# Altium PCB Mainboard.PcbDoc (part 4 of 4)
Units mm, origin at the board's own origin, x right, y up, seen from the top; angles counter-clockwise.
Board outline 90 x 160 mm, 2 copper layers (L1_Top, L14_Bot), stack 1.67 mm thick; 337 components, 184 nets, 933 pads, 776 vias.
Unrouted connection lines stored in the file: 3.
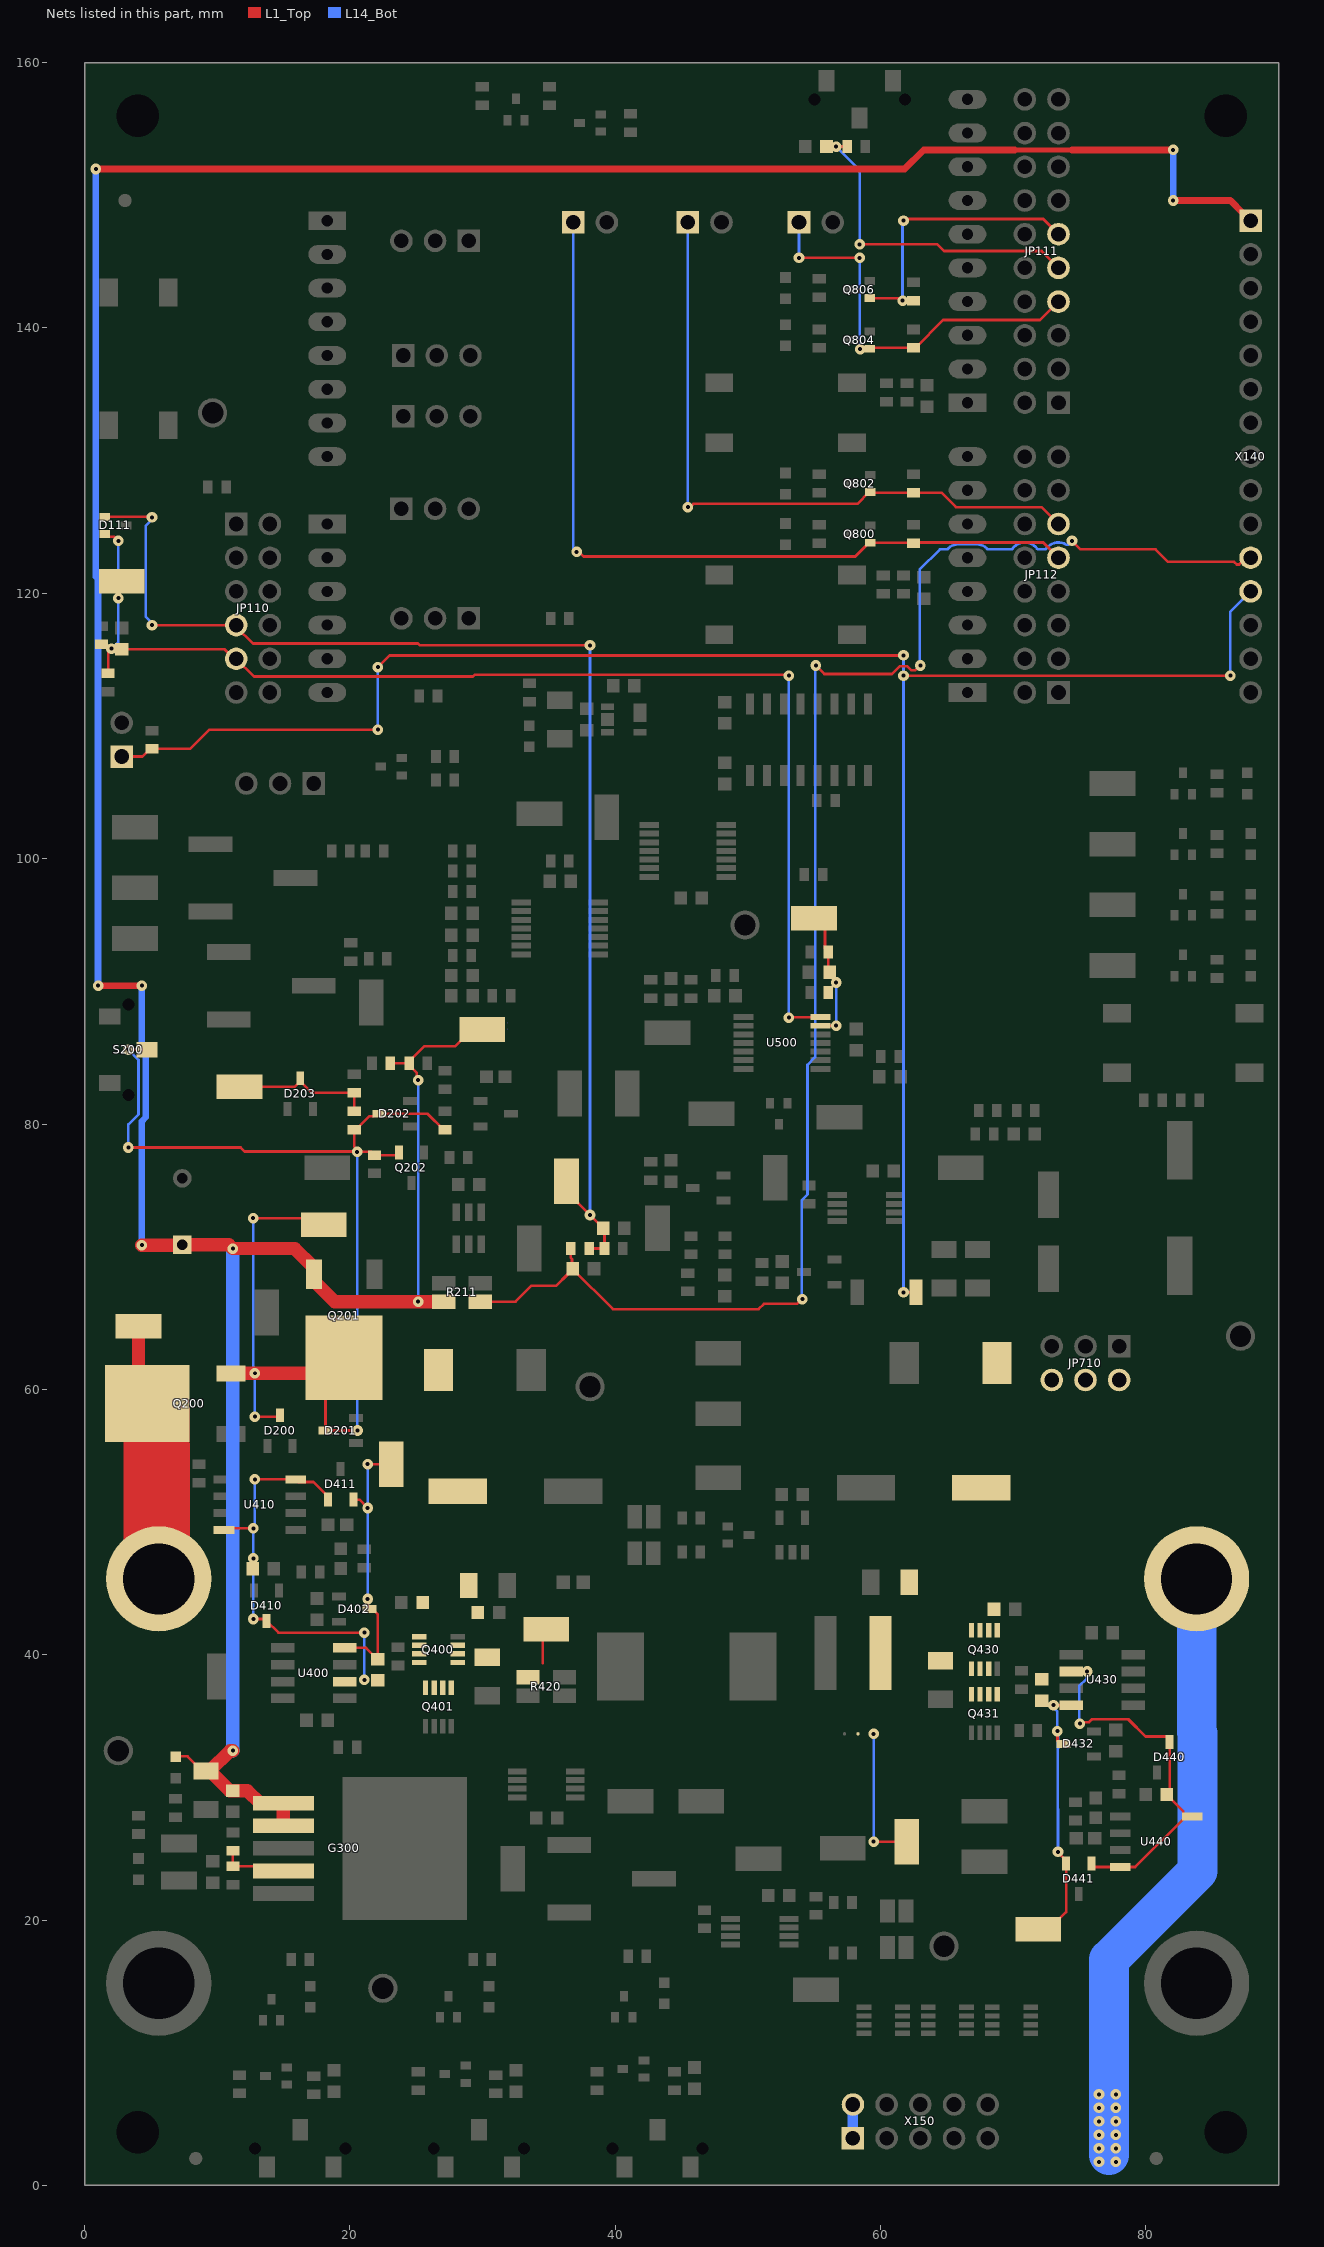
[diagram p4: the nets of this part, all layers, seen from the top]

## Via types
v1: diameter 0.8, hole 0.3, L1_Top to L14_Bot, tented both sides, 776 vias

## Nets (pads, with @x,y where several pads share a name; then routed paths per layer and width w, separated by ;. In a path a pad name is that pad's centre, name@x,y a point inside that pad or via, vN(x,y) a via of type N, cw(c..) or ccw(c..) an arc to the next point about the centre after c; other vN are vias at no path point) (continued)
UserLED1: JP112.9 JP125.1 Q800.1 R800.2 | length 62.4
  L1_Top w0.2: v1(37.084,123.128) 37.246,123.128 37.598,122.776 58.086,122.776 59.12,123.81 Q800.1@59.22,123.81 62.444,123.81 R800.2@62.484,123.77 62.546,123.832 67.523,123.832 72.256,123.832 ; 72.263,123.832 72.256,123.832 ; JP112.9@73.406,122.682 72.256,123.832
  L14_Bot w0.2: JP125.1@36.83,147.955 36.83,123.245 36.947,123.128 v1(37.084,123.128)
UserLED2: JP112.11 JP126.1 Q802.1 R802.2 | length 50.9
  L1_Top w0.2: v1(45.466,126.492) 45.628,126.492 45.882,126.746 58.246,126.746 59.12,127.62 Q802.1@59.22,127.62 59.26,127.58 R802.2@62.484,127.58 64.589,127.58 65.677,126.492 72.136,126.492 JP112.11@73.406,125.222
  L14_Bot w0.2: v1(45.466,126.492) JP126.1@45.466,147.955
UserLED3: JP111.7 JP127.1 Q804.1 R804.2 | length 30.7
  L1_Top w0.2: v1(53.848,145.288) v1(58.42,145.288) ; v1(58.451,138.405) 58.426,138.43 Q804.1@59.182,138.43 Q804.1@59.254,138.502 ; Q804.1@59.218,138.502 Q804.1@59.254,138.502 ; JP111.7@73.406,141.986 72.016,140.596 64.713,140.596 62.619,138.502 R804.2@62.484,138.502 Q804.1@59.254,138.502
  L14_Bot w0.2: v1(53.848,145.288) JP127.1@53.848,147.955 ; v1(58.42,145.288) 58.42,138.436 v1(58.451,138.405)
UserLED4: JP111.11 Q806.1 R806.2 | length 21.6
  L1_Top w0.2: Q806.1@59.174,142.242 v1@61.652,142.242 ; v1(61.652,142.058) R806.2@62.484,142.058 ; v1(61.722,148.082) 61.884,148.082 62.018,148.216 72.256,148.216 JP111.11@73.406,147.066
  L14_Bot w0.2: v1(61.652,142.058) 61.652,148.012 v1(61.722,148.082)
UserSw: C814.2 JP111.9 R814.1 | length 24.7
  L1_Top w0.2: v1(56.642,153.67) R814.1@57.476,153.67 ; v1(58.42,146.304) 64.267,146.304 64.775,145.796 72.136,145.796 JP111.9@73.406,144.526
  L14_Bot w0.2: v1(56.642,153.67) 58.42,151.892 v1(58.42,146.304)
VA: G300.4 R300.1 R301.2 | length 5.1
  L1_Top w0.2: R301.2@11.176,25.218 11.176,24.638 R300.1@11.176,24.058 14.622,24.058 G300.4@14.98,23.7
VB_Boost: C432.2 D432.3 D441.2 TP430.1 U430.8 | length 21.3
  L1_Top w0.2: TP430.1@71.882,19.304 72.682,19.304 73.98,20.602 D441.2@73.98,24.264 73.98,24.489 73.368,25.101 v1(73.368,25.146) ; v1(73.025,36.195) 74.065,36.195 U430.8@74.368,36.195 ; v1(73.318,34.24) 73.33,34.228 73.33,33.499 73.555,33.274 D432.3@73.78,33.274
  L14_Bot w0.2: v1(73.025,36.195) 73.025,36.019 73.318,35.726 v1(73.318,34.24) 73.368,34.19 73.368,34.066 73.351,31.717 ccw(c74.026,31.712) 73.351,31.71 v1(73.368,25.146)
VB_Buck: C402.2 D402.3 D411.2 TP400.1 U400.8 | length 21.1
  L1_Top w0.2: U400.8@19.612,40.513 21.222,40.513 22.073,39.662 C402.2@22.098,39.662 22.098,43.031 21.695,43.434 D402.3@21.47,43.434 21.336,43.568 v1(21.336,44.196) ; D411.2@20.254,51.682 20.708,51.682 v1(21.336,51.054) ; v1(21.336,54.356) TP400.1@23.114,54.356
  L14_Bot w0.2: v1(21.336,44.196) v1(21.336,51.054) v1(21.336,54.356)
Vin: C211.1 C212.2 C213.2 C214.2 C215.2 C404.2 D211.1 Q400.5 Q400.6 Q400.7 Q400.8 R211.1 R220.1 X140.11 | length 120
  L1_Top w0.2: R211.1@29.823,66.61 32.475,66.61 33.683,67.818 35.56,67.818 36.417,68.675 36.417,68.713 C215.2@36.792,69.088 36.792,69.063 39.815,66.04 50.8,66.04 51.2,66.44 53.685,66.44 54.047,66.802 v1(54.102,66.802) ; R220.1@36.648,70.612 36.648,69.915 36.736,69.827 C215.2@36.736,69.144 ; v1(55.118,114.554) 55.759,113.913 60.853,113.913 61.432,114.492 62.012,114.492 62.312,114.192 62.575,114.192 62.937,114.554 v1(62.992,114.554) ; v1(74.422,123.952) 75.063,123.311 80.721,123.311 81.666,122.366 86.65,122.366 86.851,122.165 87.017,122.165 87.534,122.682 X140.11@87.884,122.682
  L14_Bot w0.2: v1(54.102,66.802) 54.046,66.858 54.046,74.243 54.489,74.686 54.489,84.461 55.062,85.034 55.062,114.498 v1(55.118,114.554) ; v1(62.992,114.554) 62.936,114.61 62.936,121.787 64.46,123.311 65.037,123.311 65.095,123.37 65.098,123.372 cw(c65.836,122.682) 65.836,123.693 67.259,123.693 cw(c67.259,122.682) 67.998,123.372 68,123.37 68.059,123.311 69.884,123.311 69.942,123.37 69.951,123.379 cw(c70.866,122.682) 71.781,123.379 71.79,123.37 71.848,123.311 72.424,123.311 72.482,123.37 72.491,123.379 cw(c73.406,122.682) 74,123.666 74.054,123.666 74.136,123.666 v1(74.422,123.952)
Vin_Meas: C221.2 D111.1 JP110.7 R220.2 R221.2 TP220.1 | length 96.1
  L1_Top w0.2: D111.1@1.524,125.76 5.05,125.76 v1(5.08,125.73) ; v1(5.08,117.602) 10.668,117.602 JP110.7@11.008,117.262 ; JP110.7@11.43,117.602 11.43,117.475 12.693,116.212 25.127,116.212 25.268,116.071 v1(38.093,116.071) v1@38.256,116.071 ; TP220.1@36.322,75.692 36.322,74.892 37.172,74.042 37.197,74.042 v1(38.093,73.145) 39.078,72.161 C221.2@39.078,72.136 39.188,72.026 R221.2@39.188,70.612 R220.2@38.028,70.612
  L14_Bot w0.2: v1(5.08,117.602) 5.08,117.764 4.614,118.23 4.614,125.102 5.08,125.568 v1(5.08,125.73) ; v1(38.093,73.145) v1(38.093,116.071)
Vin_Raw: Q200.2 TP200.1 X100.1 | length 19.9
  L1_Top w1: TP200.1@4.064,64.77 4.064,59.588 Q200.2@4.724,58.928
  L1_Top w5: Q200.2@4.724,58.928 5.024,58.928 5.424,58.528 5.424,55.664 5.441,55.647 5.441,45.867 X100.1@5.588,45.72
Vin_RevPol: D200.3 D201.3 D202.3 Q200.3 Q201.2 Q202.2 R202.2 R205.2 R206.2 S200.2 TP201.1 | length 99.3
  L1_Top w0.2: v1(3.302,78.232) 11.76,78.232 12.059,77.933 20.398,77.933 v1@20.443,77.978 ; v1(3.302,85.598) S200.2@4.702,85.598 ; Q200.3@11.024,61.208 Q200.3@11.03,61.214 ; v1(12.7,72.898) TP201.1@18.034,72.898 ; v1(12.833,57.946) 14.632,57.946 D200.3@14.732,58.046 ; Q201.2@19.558,62.992 18.154,61.588 18.154,61.214 D201.3@18.154,56.896 v1(20.574,56.896) ; Q202.2@23.688,77.858 23.688,77.852 23.488,77.652 R205.2@21.844,77.652 21.595,77.901 v1(20.55,77.901) 20.521,77.901 v1@20.443,77.978 ; R206.2@27.178,79.574 27.043,79.574 25.845,80.772 D202.3@22.218,80.772 21.993,80.772 21.793,80.572 21.453,80.572 20.455,79.574 R202.2@20.32,79.574 20.32,78.293 20.443,78.17 v1@20.443,77.978
  L1_Top w1: Q200.3@11.03,61.214 v1@12.7,61.214 ; v1(12.833,61.214) 15.168,61.214 17.78,61.214 Q201.2@18.154,61.588
  L14_Bot w0.2: v1(3.302,78.232) 3.302,79.97 4.064,80.732 4.064,84.836 v1(3.302,85.598) ; v1(12.7,72.898) v1@12.7,61.214 ; v1(12.833,57.946) 12.833,61.081 v1@12.7,61.214 ; v1(12.833,61.214) v1@12.7,61.214 ; v1(20.55,77.901) 20.562,77.889 20.562,56.908 v1(20.574,56.896)
Vin_VoltReg: C210.1 C300.2 C301.2 D320.2 G300.1 G300.2 Q201.3 R204.2 R208.2 R211.2 TP210.1 X140.1 | length 279.5
  L1_Top w0.2: D320.2@6.858,32.334 7.752,32.334 8.844,31.242 C300.2@9.144,31.242 ; R204.2@23.042,84.582 R208.2@24.456,84.582 ; v1(25.146,83.312) 25.031,83.427 25.031,83.872 24.456,84.447 R208.2@24.456,84.582 ; TP210.1@29.972,87.122 29.172,87.122 27.902,85.852 25.591,85.852 24.456,84.717 R208.2@24.456,84.582
  L1_Top w0.4: 70.104,153.416 74.422,153.416
  L1_Top w0.5: v1(0.85,151.98) 61.81,151.98 63.246,153.416 70.104,153.416 ; v1(1.016,90.424) v1(4.318,90.424) ; 74.422,153.416 v1(82.042,153.416) ; v1(82.042,149.606) 86.36,149.606 87.284,148.682 X140.1@87.884,148.082
  L1_Top w1: v1(4.318,70.866) 7.526,70.866 7.566,70.906 10.882,70.906 v1(11.176,70.612) 15.848,70.612 17.178,69.282 17.278,69.182 Q201.3@17.278,68.682 17.378,68.582 17.378,68.082 18.85,66.61 R211.2@27.073,66.61 ; C300.2@9.144,31.242 C300.2@9.444,31.242 ; v1(11.176,32.766) 10.968,32.766 C300.2@9.444,31.242 ; G300.2@14.98,27.1 G300.1@14.98,28.8 13.23,28.8 12.274,29.756 C301.2@11.176,29.756 10.93,29.756 C300.2@9.444,31.242
  L14_Bot w0.2: v1(25.135,66.61) 25.14,66.616 25.14,83.306 v1(25.146,83.312)
  L14_Bot w0.5: 0.85,121.256 v1(0.85,151.98) ; v1(1.016,90.424) 1.016,121.09 ; v1(4.318,70.866) 4.318,80.208 4.614,80.504 4.614,85.276 4.318,85.572 v1(4.318,90.424) ; v1(82.042,149.606) v1(82.042,153.416)
  L14_Bot w1: v1(11.176,32.766) v1(11.176,70.612)
Volt_Thresh: C503.2 R502.2 R503.1 TP502.1 U500.6 | length 10.6
  L1_Top w0.2: TP502.1@54.356,95.504 TP502.1@54.977,95.504 55.802,94.679 55.802,93.224 R503.1@56.062,92.964 56.062,91.55 C503.2@56.172,91.44 ; U500.6@55.478,87.406 56.612,87.406 56.612,87.408 56.63,87.426 v1@56.651,87.406 ; R502.2@56.062,89.916 56.062,90.051 56.652,90.641 v1(56.652,90.668)
  L14_Bot w0.2: v1(56.652,87.406) v1(56.652,90.668)
Vout: C434.2 C700.2 C701.2 C702.1 D730.1 D731.1 JP710.2 JP710.4 JP710.6 Q430.5 Q430.6 Q430.7 Q430.8 R720.2 X102.1 X140.12 X150.1 X150.2 X720.1 | length 194.2
  L1_Top w0.2: X720.1@2.794,107.696 4.365,107.696 4.945,108.276 R720.2@5.08,108.276 7.946,108.276 9.398,109.728 v1(22.098,109.728) ; v1(22.098,114.427) 22.987,115.316 v1(61.722,115.316) ; v1(61.722,67.31) D731.1@62.662,67.31 ; v1(61.722,113.792) v1(86.36,113.792)
  L14_Bot w0.2: v1(22.098,109.728) v1(22.098,114.427) ; v1(61.722,67.31) v1(61.722,115.316) ; v1(86.36,113.792) 86.36,118.618 X140.12@87.884,120.142
  L14_Bot w0.8: X150.1@57.912,3.556 X150.2@57.912,6.096
  L14_Bot w3: 77.216,2.286 77.216,17.018 83.888,23.69 83.888,34.082 83.82,34.15 X102.1@83.82,45.72
  other v1: 76.454,1.778 77.724,1.778 76.454,2.794 77.724,2.794 76.454,3.81 77.724,3.81 76.454,4.826 77.724,4.826 76.454,5.842 77.724,5.842 76.454,6.858 77.724,6.858
Vout_Meas: C722.2 D111.2 JP110.9 R721.2 R722.2 TP721.1 U500.7 | length 93
  L1_Top w0.2: R722.2@1.27,116.15 1.405,116.15 1.778,115.777 R721.2@1.778,113.974 ; D111.2@1.524,124.46 1.724,124.26 2.232,124.26 v1(2.54,123.952) ; v1(2.54,119.634) 2.54,120.65 TP721.1@2.794,120.904 ; C722.2@2.794,115.786 10.528,115.786 11.252,115.062 JP110.9@11.43,115.062 12.765,113.727 29.264,113.727 29.409,113.872 45.502,113.872 53.006,113.872 v1(53.086,113.792) v1@53.203,113.675 ; v1(53.086,88.011) 53.108,88.033 55.456,88.033 U500.7@55.478,88.056
  L14_Bot w0.2: v1(2.032,115.824) 2.54,116.332 v1(2.54,119.634) v1(2.54,123.952) ; v1(53.086,88.011) v1(53.086,113.792)
VS_Boost: C432.1 C440.2 D440.3 D441.1 JP421.2 L421.2 Q430.1 Q430.2 Q430.3 Q431.5 Q431.6 Q431.7 Q431.8 TP431.1 U430.6 U440.4 U440.8 | length 39.4
  L1_Top w0.2: v1(59.475,25.908) TP431.1@61.976,25.908 ; U430.6@74.368,38.735 v1(75.565,38.735) ; v1(75.018,34.798) 75.133,34.913 75.709,34.913 75.931,35.135 78.662,35.135 79.964,33.833 81.588,33.833 81.788,33.633 D440.3@81.788,33.408 81.788,29.655 81.572,29.439 82.797,28.214 82.797,28.013 U440.8@82.997,27.813 ; D441.1@75.88,24.264 75.88,24.203 76.08,24.003 U440.4@78.072,24.003 79.187,24.003 U440.8@82.997,27.813 ; U440.8@83.472,27.813 U440.8@82.997,27.813
  L14_Bot w0.2: v1(59.475,25.908) 59.436,25.947 59.475,25.986 v1(59.475,34.036) ; v1(75.018,34.798) 74.968,34.848 74.968,37.63 75.524,38.186 75.524,38.694 v1(75.565,38.735)
VS_Buck: C402.1 C410.2 D410.3 D411.1 Q400.1 Q400.2 Q400.3 Q401.5 Q401.6 Q401.7 Q401.8 R420.1 TP401.1 U400.6 U410.4 U410.8 | length 35.4
  L1_Top w0.2: U410.8@10.508,49.403 10.635,49.53 v1(12.716,49.53) ; C410.2@12.662,46.482 12.716,46.536 v1(12.716,47.26) ; v1(12.716,42.688) 13.566,42.688 D410.3@13.716,42.538 14.598,41.656 v1(21.082,41.656) ; v1(12.827,53.213) U410.4@15.908,53.213 16.108,53.013 17.248,53.013 18.354,51.907 D411.1@18.354,51.682 ; TP401.1@33.423,42.313 TP401.1@33.782,42.672 ; 34.544,39.37 34.544,41.656 TP401.1@34.798,41.91
  L14_Bot w0.2: v1(12.716,42.688) v1(12.716,47.26) v1(12.716,49.53) 12.827,49.641 v1(12.827,53.213) ; v1(21.082,38.1) v1(21.082,41.656)
Zener_20V: D203.3 R202.1 R203.2 TP203.1 | length 11.8
  L1_Top w0.2: TP203.1@10.668,82.804 15.839,82.804 D203.3@16.256,83.221 ; D203.3@16.256,83.446 D203.3@16.256,83.221 ; R202.1@20.32,80.954 R203.2@20.32,82.368 17.109,82.368 D203.3@16.256,83.221
pads on no net: D200.2 D201.2 D202.2 D203.2 D402.2 D410.2 D432.2 D440.2 E100.1 E101.1 E102.1 JP111.17 JP111.19 JP112.1 JP112.3 MP100. MP101. MP102. MP103. R524.3 R531.3 S200. S200.3 S750. S751. S752. S814. U410.5 U410.7 U440.5 U440.7 U540.13 U570.6 U570.8 U630.1 U630.5 U630.8 X110.1A X110.2A X110.4A X110.5A

## Polygon pours and split planes (outlines as drawn)
GND on L1_Top "GND_L01_P010" (solid, remove dead copper, pour order 10): 0,0 90,0 90,160 0,160
NetJP421_1 on L1_Top "NETJP421_1_L01_P006" (solid, pour order 6): 51.816,34.29 48.641,37.465 48.641,41.148 48.641,43.942 57.658,43.942 57.658,32.766 51.816,32.766
H-Bridge_neg on L1_Top "H-BRIDGE_NEG_L01_P005" (solid, pour order 5): 52.197,34.671 50.419,36.449 48.895,36.449 48.768,36.576 48.768,41.402 43.434,46.736 42.418,46.736 42.418,48.768 40.386,48.768 40.386,45.974 41.91,44.45 41.91,36.576 38.608,36.576 38.608,35.306 31.496,35.306 31.496,37.592 28.702,37.592 28.702,35.56 24.892,35.56 24.892,32.258 49.53,32.258 54.61,27.178 64.77,27.178 69.85,32.258 69.85,35.052 65.659,35.052 65.532,35.179 65.532,37.338 63.5,37.338 63.5,35.306 60.706,32.512 54.356,32.512
VS_Boost on L1_Top "VS_BOOST_L01_P002" (solid, pour order 2): 62.611,34.417 63.5,35.306 63.5,37.338 65.532,37.338 65.532,37.084 75.184,37.084 75.184,39.37 63.754,39.37 62.23,40.894 62.23,43.942 57.912,43.942 57.912,32.766 60.96,32.766
Vin on L1_Top "VIN_L01_P001" (solid, remove dead copper, pour order 1): 28.448,66.167 26.797,64.516 24.384,64.516 24.384,39.111 31.496,39.111 31.496,40.386 31.496,41.656 30.988,42.164 30.988,64.262 32.004,65.278 32.004,67.31 28.448,67.31
Vout on L1_Top "VOUT_L01_P004" (solid, pour order 4): 84.074,61.722 89.408,56.388 89.408,40.386 78.232,40.386 78.232,49.149 69.088,49.149 69.088,39.624 60.452,39.624 60.452,44.704 61.214,45.466 61.214,47.244 65.278,51.308 65.278,57.912 65.278,63.754 64.516,64.516 61.722,64.516 61.722,68.707 63.754,68.707 63.754,66.294 68.072,66.294 72.644,61.722
Out_neg on L1_Top "OUT_NEG_L01_P007" (solid, pour order 7): 76.708,16.764 81.026,21.082 89.408,21.082 89.408,9.652 78.994,9.652 76.962,11.684 57.913,11.684 57.912,16.002 66.548,16.002 66.548,19.304 66.04,19.812 61.214,19.812 61.214,22.098 69.596,22.098 69.596,16.764
VS_Buck on L1_Top "VS_BUCK_L01_P000" (solid, pour order 0): 28.702,37.592 28.702,35.56 21.844,35.56 20.32,37.084 18.542,37.084 18.542,39.116 27.178,39.116 27.178,41.148 29.337,41.148 29.337,39.116 30.734,39.116 30.988,39.37 34.798,39.37 34.798,37.338 30.988,37.338 30.734,37.592
Vout on L1_Top "VOUT_L01_P008" (solid, pour order 8): 55.88,7.874 55.88,1.016 78.74,1.016 78.74,7.874
no net on Top Overlay "NONET_L-01_P-001" (solid): 26.797,144.78 26.797,145.11 31.115,145.11 31.115,144.78 30.734,144.78 30.734,144.907 27.432,144.907 27.432,144.78
GND on L14_Bot "GND_L02_P009" (solid, remove dead copper, pour order 9): 0,0 90,0 90,160 0,160

## Keep-outs
Keep-Out Layer:
  the board outline again, w0.5

## Silkscreen, mask and mechanical layers (free items; w line width, h text height)
Top Overlay:
  drawing of 2860 lines, arcs and shapes, not listed
  text "SCL" at 75.692,156.726 h1
  text "UserSw" at 43.688,155.956 h2.3
  text "Off" at 53.848,155.448 h1.8 r90
  text "On" at 64.516,155.448 h1.8 r90
  text "SDA" at 75.692,154.186 h1
  text "AREF" at 75.692,151.646 h1
  text "Load1" at 35.814,149.479 h1.6
  text "Load2" at 44.45,149.479 h1.6
  text "Load3" at 52.832,149.479 h1.6
  text "GND" at 75.692,149.106 h1
  text "Boost Cntrl" at 21.844,148.336 h1.6
  text "NC" at 14.336,147.582 h1
  text "Vin" at 81.407,147.32 h1.6
  text "D13" at 75.692,146.566 h1
  text "IOREF" at 11.503,145.042 h1
  text "12V" at 81.407,144.78 h1.6
  text "D12" at 75.692,144.026 h1
  text "Indep" at 21.717,143.407 h1.6
  text "Buck" at 26.797,143.383 h1.6
  text "RESET" at 11.337,142.502 h1
  text "3.3V" at 81.407,142.24 h1.6
  text "UserLED4" at 38.354,141.986 h2.3
  text "D11" at 75.692,141.486 h1
  text "3.3V" at 12.503,139.962 h1
  text "Cntrl" at 22.606,139.7 h1.6
  text "GND" at 81.407,139.7 h1.6
  text "D10" at 75.692,138.946 h1
  text "UserLED3" at 38.354,138.43 h2.3
  text "5V" at 14.336,137.422 h1
  text "In" at 82.042,137.16 h1.6
  text "D9" at 75.692,136.406 h1
  text "uC" at 22.352,134.969 h1.6
  text "Ext" at 27.432,134.969 h1.6
  text "GND" at 13.336,134.882 h1
  text "Out" at 82.042,134.62 h1.6
  text "D8" at 75.692,133.866 h1
  text "GND" at 13.336,132.342 h1
  text "UserBtn2" at 38.354,132.334 h2.3
  text "In A" at 82.042,132.08 h1.6
  text "12V" at 13.503,129.802 h1
  text "D7" at 75.692,129.802 h1
  text "Out A" at 81.915,129.54 h1.6
  text "A0" at 22.479,128.143 h1.6
  text "D6" at 75.692,127.262 h1
  text "UserLED2" at 38.354,127 h2.3
  text "Ind" at 82.042,127 h1.6
  text "A0" at 7.224,124.722 h1
  text "D5" at 75.692,124.722 h1
  text "Current" at 81.407,124.714 h1.6 r90
  text "Sw" at 82.042,124.46 h1.6
  text "In" at 22.352,123.539 h1.6
  text "Sw" at 27.432,123.539 h1.6
  text "UserLED1" at 38.354,123.19 h2.3
  text "A1" at 7.557,122.182 h1
  text "D4" at 75.692,122.182 h1
  text "Vin" at 80.518,121.92 h1.6
  text "Blanking" at 22.479,119.888 h1.6
  text "A2" at 7.224,119.642 h1
  text "D3" at 75.692,119.642 h1
  text "Vout" at 80.518,119.38 h1.6
  text "UserBtn1" at 38.354,117.856 h2.3
  text "A3" at 7.224,117.092 h1
  text "D2" at 75.692,117.102 h1
  text "Buck" at 80.518,116.84 h1.6
  text "Ind" at 22.352,115.284 h1.6
  text "Sw" at 27.432,115.284 h1.6
  text "A4" at 7.224,114.552 h1
  text "D1" at 75.692,114.562 h1
  text "Boost" at 80.518,114.3 h1.6
  text "A5" at 7.224,112.012 h1
  text "D0" at 75.692,112.022 h1
  text "GND" at 80.518,111.76 h1.6
  text "3.3V" at 32.258,107.95 h1.5 r90
  text "ADC NTC" at 10.795,107.442 h1.6
  text "Overcurr" at 65.024,104.394 h2.3
  text "int" at 10.668,102.838 h1.6
  text "ext" at 15.748,102.838 h1.6
  text "Overvolt" at 65.024,99.822 h2.3
  text "Overtemp_Int" at 60.198,95.25 h2.3
  text "Overtemp_Ext" at 59.69,90.678 h2.3
  text "Off" at 8.382,86.36 h2.3 r90
  text "Fault Reset" at 65.024,84.963 h2.3
  text "On" at 8.382,80.772 h2.3 r90
  text "2x 10uF" at 73.914,49.784 h2.3 r90
  text "47uF" at 76.581,49.784 h2.3 r90
  text "220uF" at 79.248,49.784 h2.3 r90
  text "NTC" at 40.132,46.228 h2.3 r90
  text "OUT+" at 80.518,37.338 h3.2
  text "IN+" at 1.27,37.084 h3.2
  text "Vin" at 5.08,33.782 h1.5
  text "12V" at 2.032,22.098 h1.5 r90
  text "IN−" at 1.27,7.112 h3.2
  text "OUT−" at 80.518,7.112 h3.2
  text "Load1" at 22.352,5.08 h2.3 r90
  text "Load2" at 35.814,5.08 h2.3 r90
  text "Load3" at 49.276,5.08 h2.3 r90
  text "Off" at 11.684,1.016 h1.8 r90
  text "On" at 22.352,1.016 h1.8 r90
  text "Off" at 25.146,1.016 h1.8 r90
  text "On" at 35.814,1.016 h1.8 r90
  text "Off" at 38.608,1.016 h1.8 r90
  text "On" at 49.276,1.016 h1.8 r90
Bottom Overlay:
  text ".PRJ_Title / .PRJ_PCB_Revision  / .PRJ_Year" at 60.198,147.579 h1.3
M3 (ASY_Text_Top):
  drawing of 12 lines, arcs and shapes, not listed
  text ".PRJ_Address1" at 292.608,-14.986 h3
  text ".PRJ_Title" at 292.354,-18.288 h4
  text ".PRJ_PCB_Revision" at 292.354,-21.336 h2
  text ".PRJ_Year" at 298.704,-21.336 h2
M5 (Sheet_Top):
  drawing of 56 lines, arcs and shapes, not listed
  text "1" at -5,214 h2
  text "2" at 45,214 h2
  text "3" at 95,214 h2
  text "4" at 145,214 h2
  text "5" at 195,214 h2
  text "6" at 245,214 h2
  text "7" at 295,214 h2
  text "8" at 345,214 h2
  text "A" at -28,182.5 h2
  text "A" at 367,182.5 h2
  text "B" at -28,112.5 h2
  text "B" at 367,112.5 h2
  text "C" at -28,42.5 h2
  text "C" at 367,42.5 h2
  text "ENGINEER:" at 251.97,-26.5 h1.2
  text "TITLE:" at 290.07,-26.5 h1.2
  text "D" at -28,-27.5 h2
  text "D" at 367,-27.5 h2
  text "PCB DESIGNER:" at 251.97,-34 h1.2
  text "Learning Platform for / Switching Regulators" at 291.7,-36.8 h3
  text ".PRJ_PCBDesigner" at 253,-38.5 h2
  text "DATE:" at 251.97,-41.5 h1.2
  text "PART NO.:" at 290.07,-41.5 h1.2
  text "REL:" at 340,-41.5 h1.2
  text "REV:" at 353,-41.5 h1.2
  text ".PRJ_Organization" at 209.164,-44.5 h2
  text ".PRINT_DATE" at 253,-45.5 h2
  text ".PRJ_PCB_Release" at 341,-45.5 h2
  text ".PRJ_PCB_Revision" at 354,-45.5 h2
  text ".PRJ_Address1" at 220,-47.5 h2
  text "SVN REVISION:" at 251.97,-49 h1.2
  text "FILE NAME:" at 290.07,-49 h1.2
  text "APRV:" at 340,-49 h1.2
  text "SCALE:" at 353,-49 h1.2
  text "Am Campeon 1-12" at 214.606,-50.5 h2
  text ".VersionControl_RevNumber" at 253,-52.5 h2
  text ".PCB_FILE_NAME_NO_PATH" at 291,-52.5 h2
  text ".PRJ_PCBApprovedBy" at 341,-52.5 h2
  text "1:1" at 356,-52.5 h2
  text "85579 NEUBIBERG - GERMANY" at 206.55,-53.5 h2
  text "C" at 251.3,-56.35 h0.9
  text ".PRJ_Copyright" at 253,-56.5 h1.2
  text "1" at -5,-61 h2
  text "2" at 45,-61 h2
  text "3" at 95,-61 h2
  text "4" at 145,-61 h2
  text "5" at 195,-61 h2
  text "6" at 245,-61 h2
  text "7" at 295,-61 h2
  text "8" at 345,-61 h2
M6 (Sheet_Bot):
  drawing of 56 lines, arcs and shapes, not listed
  text "8" at -5,214 h2
  text "7" at 45,214 h2
  text "6" at 95,214 h2
  text "5" at 145,214 h2
  text "4" at 195,214 h2
  text "3" at 245,214 h2
  text "2" at 295,214 h2
  text "1" at 345,214 h2
  text "A" at -27,182.5 h2
  text "A" at 368,182.5 h2
  text "B" at -27,112.5 h2
  text "B" at 368,112.5 h2
  text "C" at -27,42.5 h2
  text "C" at 368,42.5 h2
  text "TITLE:" at 49.93,-26.5 h1.2
  text "ENGINEER:" at 88.03,-26.5 h1.2
  text "D" at -27,-27.5 h2
  text "D" at 368,-27.5 h2
  text "PCB DESIGNER:" at 88.03,-34 h1.2
  text "Learning Platform for / Switching Regulators" at 48.3,-36.8 h3
  text ".PRJ_PCBDesigner" at 87,-38.5 h2
  text "REV:" at -13,-41.5 h1.2
  text "REL:" at 0,-41.5 h1.2
  text "PART NO.:" at 49.93,-41.5 h1.2
  text "DATE:" at 88.03,-41.5 h1.2
  text ".PRJ_Organization" at 130.836,-44.5 h2
  text ".PRJ_PCB_Revision" at -14,-45.5 h2
  text ".PRJ_PCB_Release" at -1,-45.5 h2
  text ".PRINT_DATE" at 87,-45.5 h2
  text ".PRJ_Address1" at 120,-47.5 h2
  text "SCALE:" at -13,-49 h1.2
  text "APRV:" at 0,-49 h1.2
  text "FILE NAME:" at 49.93,-49 h1.2
  text "SVN REVISION:" at 88.03,-49 h1.2
  text "Am Campeon 1-12" at 125.394,-50.5 h2
  text "1:1" at -16,-52.5 h2
  text ".PRJ_PCBApprovedBy" at -1,-52.5 h2
  text ".PCB_FILE_NAME_NO_PATH" at 49,-52.5 h2
  text ".VersionControl_RevNumber" at 87,-52.5 h2
  text "85579 NEUBIBERG - GERMANY" at 133.45,-53.5 h2
  text "C" at 88.7,-56.35 h0.9
  text ".PRJ_Copyright" at 87,-56.5 h1.2
  text "8" at -5,-61 h2
  text "7" at 45,-61 h2
  text "6" at 95,-61 h2
  text "5" at 145,-61 h2
  text "4" at 195,-61 h2
  text "3" at 245,-61 h2
  text "2" at 295,-61 h2
  text "1" at 345,-61 h2
M11 (Dimension_Top):
  the board outline again, w0.254
M15 (CMP_Courtyard_Top):
  lines w0.1: 16.188,110.744 16.188,149.987 20.388,149.987 20.388,110.744 16.188,110.744 ; 64.448,111.002 64.448,158.75 68.648,158.75 68.648,111.002 64.448,111.002
Drill Drawing:
  circle w0.2: c125.738,158.783 r0.5
  circle w0.2: c125.738,158.783 r0.833
  circle w0.2: c125.738,140.033 r0.833
  lines w0.2: 124.905,128.367 125.321,128.367 125.738,127.95 126.155,128.367 126.571,128.367 126.155,128.783 126.571,129.2 126.155,129.2 125.738,129.617 125.321,129.2 124.905,129.2 125.321,128.783 124.905,128.367 ; 124.905,132.533 125.738,131.7 126.571,132.533 125.738,133.367 124.905,132.533 ; 124.905,135.45 125.738,135.867 126.571,135.45 126.155,136.283 126.571,137.117 125.738,136.7 124.905,137.117 125.321,136.283 124.905,135.45 ; 124.905,142.95 126.571,142.95 126.571,144.617 124.905,144.617 124.905,142.95 ; 124.905,146.7 126.571,146.7 126.571,148.367 124.905,148.367 124.905,146.7 ; 124.905,152.117 126.571,152.117 125.738,150.45 124.905,152.117 ; 124.905,154.2 124.905,154.617 125.321,155.033 124.905,155.45 124.905,155.867 125.321,155.867 125.738,155.45 126.155,155.867 126.571,155.867 126.571,155.45 126.155,155.033 126.571,154.617 126.571,154.2 126.155,154.2 125.738,154.617 125.321,154.2 124.905,154.2 ; 125.238,147.033 126.238,147.033 126.238,148.033 125.238,148.033 125.238,147.033
  lines w0.381: 123.426,126.825 301.667,126.825 ; 123.426,160.575 301.667,160.575 ; 137.038,123.075 137.038,164.325 ; 151.934,123.075 151.934,164.325 ; 181.075,123.075 181.075,164.325 ; 193.562,123.075 193.562,164.325 ; 211.747,123.075 211.747,164.325 ; 241.328,123.075 241.328,164.325 ; 255.914,123.075 255.914,164.325 ; 274.399,123.075 274.399,164.325 ; 123.426,123.075 301.667,123.075 301.667,164.325 123.426,164.325 123.426,123.075
  text "Drill Legend" at 123.531,165.492 h6
  text "Symbol" at 125.676,161.7 h1.8
  text "Count" at 138.163,161.7 h1.8
  text "Hole Size" at 153.059,161.7 h1.8
  text "Plated" at 182.2,161.7 h1.8
  text "Hole Type" at 194.687,161.7 h1.8
  text "Drill Layer Pair" at 212.872,161.7 h1.8
  text "Via/Pad" at 242.453,161.7 h1.8
  text "Pad Shape" at 257.039,161.7 h1.8
  text "Template" at 275.524,161.7 h1.8
  text "776" at 138.163,157.95 h1.5
  text "0,300mm (11,81mil)" at 153.059,157.95 h1.5
  text "PTH" at 182.2,157.95 h1.5
  text "Round" at 194.687,157.95 h1.5
  text "L1_Top - L14_Bot" at 212.872,157.95 h1.5
  text "Via" at 242.453,157.95 h1.5
  text "Rounded" at 257.039,157.95 h1.5
  text "v80h30m0mx0" at 275.524,157.95 h1.5
  text "2" at 138.163,154.2 h1.5
  text "0,800mm (31,50mil)" at 153.059,154.2 h1.5
  text "PTH" at 182.2,154.2 h1.5
  text "Round" at 194.687,154.2 h1.5
  text "L1_Top - L14_Bot" at 212.872,154.2 h1.5
  text "Pad" at 242.453,154.2 h1.5
  text "(Mixed)" at 257.039,154.2 h1.5
  text "(Mixed)" at 275.524,154.2 h1.5
  text "32" at 138.163,150.45 h1.5
  text "0,850mm (33,47mil)" at 153.059,150.45 h1.5
  text "PTH" at 182.2,150.45 h1.5
  text "Round" at 194.687,150.45 h1.5
  text "L1_Top - L14_Bot" at 212.872,150.45 h1.5
  text "Pad" at 242.453,150.45 h1.5
  text "(Mixed)" at 257.039,150.45 h1.5
  text "(Mixed)" at 275.524,150.45 h1.5
  text "10" at 138.163,146.7 h1.5
  text "0,900mm (35,43mil)" at 153.059,146.7 h1.5
  text "NPTH" at 182.2,146.7 h1.5
  text "Round" at 194.687,146.7 h1.5
  text "L1_Top - L14_Bot" at 212.872,146.7 h1.5
  text "Pad" at 242.453,146.7 h1.5
  text "Rounded" at 257.039,146.7 h1.5
  text "c0hn90m-1p-1" at 275.524,146.7 h1.5
  text "8" at 138.163,142.95 h1.5
  text "1,100mm (43,31mil)" at 153.059,142.95 h1.5
  text "PTH" at 182.2,142.95 h1.5
  text "Round" at 194.687,142.95 h1.5
  text "L1_Top - L14_Bot" at 212.872,142.95 h1.5
  text "Pad" at 242.453,142.95 h1.5
  text "(Mixed)" at 257.039,142.95 h1.5
  text "(Mixed)" at 275.524,142.95 h1.5
  text "97" at 138.163,139.2 h1.5
  text "1,100mm (43,31mil)" at 153.059,139.2 h1.5
  text "PTH" at 182.2,139.2 h1.5
  text "Round" at 194.687,139.2 h1.5
  text "L1_Top - L14_Bot" at 212.872,139.2 h1.5
  text "Pad" at 242.453,139.2 h1.5
  text "(Mixed)" at 257.039,139.2 h1.5
  text "(Mixed)" at 275.524,139.2 h1.5
  text "7" at 138.163,135.45 h1.5
  text "1,600mm (62,99mil)" at 153.059,135.45 h1.5
  text "PTH" at 182.2,135.45 h1.5
  text "Round" at 194.687,135.45 h1.5
  text "L1_Top - L14_Bot" at 212.872,135.45 h1.5
  text "Pad" at 242.453,135.45 h1.5
  text "Rounded" at 257.039,135.45 h1.5
  text "c220h160m220p220" at 275.524,135.45 h1.5
  text "4" at 138.163,131.7 h1.5
  text "3,200mm (125,98mil)" at 153.059,131.7 h1.5
  text "NPTH" at 182.2,131.7 h1.5
  text "Round" at 194.687,131.7 h1.5
  text "L1_Top - L14_Bot" at 212.872,131.7 h1.5
  text "Pad" at 242.453,131.7 h1.5
  text "Rounded" at 257.039,131.7 h1.5
  text "c0hn320m-1p-1" at 275.524,131.7 h1.5
  text "4" at 138.163,127.95 h1.5
  text "5,360mm (211,02mil)" at 153.059,127.95 h1.5
  text "PTH" at 182.2,127.95 h1.5
  text "Round" at 194.687,127.95 h1.5
  text "L1_Top - L14_Bot" at 212.872,127.95 h1.5
  text "Pad" at 242.453,127.95 h1.5
  text "Rounded" at 257.039,127.95 h1.5
  text "c792h536m792p792" at 275.524,127.95 h1.5
  text "940 Total" at 138.163,124.2 h1.5
Mechanical 32:
  lines w0.02: 226.564,106.999 261.564,106.999 ; 237.064,82.199 237.064,86.199 ; 237.064,84.199 261.564,84.199 ; 237.064,86.699 237.064,90.699 ; 237.064,88.699 261.564,88.699 ; 237.064,91.199 237.064,95.199 ; 237.064,93.199 261.564,93.199 ; 238.564,109.499 238.564,111.499 ; 245.564,86.699 245.564,90.699 ; 245.564,91.199 245.564,95.199 ; 245.564,98.099 245.564,102.099 ; 245.564,106.999 245.564,108.999 ; 249.564,98.099 249.564,102.099 ; 250.564,109.499 250.564,111.499 ; 253.564,82.199 253.564,86.199 ; 253.564,86.699 253.564,90.699 ; 253.564,91.199 253.564,95.199 ; 253.564,95.699 253.564,97.699 ; 253.564,98.099 253.564,102.099 ; 253.564,104.999 253.564,108.999 ; 257.564,82.199 257.564,86.199 ; 257.564,86.699 257.564,90.699 ; 257.564,91.199 257.564,95.199 ; 257.564,95.699 257.564,97.699 ; 257.564,98.099 257.564,102.099 ; 257.564,102.599 257.564,104.599 ; 257.564,104.999 257.564,106.999 ; 226.564,82.199 226.564,86.199 261.564,86.199 261.564,82.199 226.564,82.199 ; 226.564,86.699 226.564,90.699 261.564,90.699 261.564,86.699 226.564,86.699 ; 226.564,91.199 226.564,95.199 261.564,95.199 261.564,91.199 226.564,91.199 ; 226.564,95.699 226.564,97.699 261.564,97.699 261.564,95.699 226.564,95.699 ; 226.564,98.099 226.564,102.099 261.564,102.099 261.564,98.099 226.564,98.099 ; 226.564,102.599 226.564,104.599 261.564,104.599 261.564,102.599 226.564,102.599 ; 226.564,104.999 226.564,108.999 261.564,108.999 261.564,104.999 226.564,104.999 ; 226.564,109.499 261.564,109.499 261.564,111.499 226.564,111.499 226.564,109.499
  lines w0.15: 123.184,81.636 ccw(c124.184,81.636) 124.184,80.636 216.535,80.636 ; 123.185,81.534 123.185,114.126 cw(c124.185,114.126) 124.185,115.126 216.535,115.126 ; 124.534,104.261 216.408,104.267 ; 124.534,107.281 216.281,107.315 ; 216.5,80.636 ccw(c216.5,81.636) 217.5,81.636 ; 216.501,115.126 cw(c216.501,114.126) 217.501,114.126 217.501,81.661
  lines w0.2: 225.564,82.199 ccw(c226.664,82.199) 226.664,81.099 ; 225.564,82.218 225.564,113.999 ; 225.564,113.899 cw(c226.664,113.899) 226.664,114.999 ; 226.564,81.099 261.564,81.099 ; 226.564,114.999 261.564,114.999 ; 227.064,110.499 237.564,110.499 ; 246.064,100.099 249.064,100.099 ; 250.064,100.099 253.064,100.099 ; 251.064,110.499 261.264,110.499 ; 254.064,107.999 261.064,107.999 ; 257.964,100.099 260.964,100.099 ; 258.052,83.199 261.052,83.199 ; 258.052,85.199 261.052,85.199 ; 258.059,87.722 261.059,87.722 ; 258.064,89.699 261.064,89.699 ; 258.064,92.199 261.064,92.199 ; 258.064,94.199 261.064,94.199 ; 258.064,96.699 261.064,96.699 ; 258.064,105.999 261.064,105.999 ; 261.464,81.099 ccw(c261.464,82.199) 262.564,82.199 ; 261.464,114.999 cw(c261.464,113.899) 262.564,113.899 ; 262.564,82.218 262.564,113.999 ; 271.888,113.249 285.388,113.249
  text "TECHNOLOGY" at 271.988,113.749 h1.3
  text "MATERIAL SPECIFICATION" at 230.064,112.499 h1.3
  text "TRACK WIDTH:" at 271.988,110.999 h1.1
  text "0.20mm" at 286.488,110.999 h1.1
  text "SINGLESIDED" at 227.064,109.999 h1
  text "DOUBLESIDED" at 239.314,109.999 h1
  text "MULTILAYER" at 251.564,109.999 h1
  text "CLEARANCE:" at 271.988,108.749 h1.1
  text "0.20mm" at 286.488,108.749 h1.1
  text "Layer Stack Up Detail for:  / .PRJ_Title .VariantName" at 124.459,107.945 h1.6
  text "MATERIAL" at 227.064,107.499 h1.1
  text "FR4" at 238.064,107.499 h1.1
  text "TG130" at 247.064,107.499 h1.1
  text "TG280" at 255.064,107.499 h1.1
  text "ANNULAR RING:" at 271.988,106.499 h1.1
  text "0.25mm" at 286.488,106.499 h1.1
  text "Layer" at 124.559,106.156 h0.7
  text "Gerber" at 139.237,106.156 h0.7
  text "Copper" at 149.535,106.156 h0.7
  text "Dielectric" at 160.992,106.156 h0.7
  text "Dielectric" at 172.894,106.156 h0.7
  text "YES" at 254.064,105.499 h1.1
  text "NO" at 258.564,105.499 h1.1
  text "RoHS conform" at 227.094,105.418 h1.1
  text "Name" at 124.559,104.756 h0.7
  text "Document" at 139.237,104.756 h0.7
  text "Thickness" at 149.535,104.756 h0.7
  text "Height" at 160.992,104.756 h0.7
  text "Material" at 172.894,104.756 h0.7
  text "HOLE SIZE:" at 271.988,104.249 h1.1
  text "0.300mm" at 286.488,104.249 h1.1
  text "PCB THICKNESS mm" at 227.064,103.099 h1.1
  text "1.6" at 258.294,103.018 h1.1
  text "Top Overlay" at 124.609,102.086 h1
  text "(.GTO)" at 139.287,102.086 h1
  text "COPPER THICKNESS" at 227.064,100.599 h1.1
  text "9" at 247.064,99.599 h1.1
  text "18" at 250.564,99.599 h1.1
  text "35" at 254.564,99.599 h1.1
  text "70" at 258.564,99.599 h1.1
  text "AFTER PLATING um" at 227.064,98.599 h1.1
  text "Top Solder" at 124.609,98.086 h1
  text "(.GTS)" at 139.287,98.086 h1
  text "THROUGH PLATED BOARD" at 227.064,96.199 h1.1
  text "YES" at 254.064,96.199 h1.1
  text "NO" at 258.564,96.199 h1.1
  text "L1_Top" at 124.609,94.086 h1
  text "(.GTL)" at 139.287,94.086 h1
  text "0.035mm" at 149.585,94.086 h1
  text "SOLDER" at 227.064,93.699 h1.1
  text "RED" at 238.564,93.699 h1.1
  text "TOP" at 248.064,93.699 h1.1
  text "YES" at 254.064,93.699 h1.1
  text "NO" at 258.564,93.699 h1.1
  text "1.6mm" at 161.042,92.086 h1
  text "FR-4" at 172.893,92.086 h1
  text "MASK" at 227.064,91.699 h1.1
  text "RED" at 238.564,91.699 h1.1
  text "BOT" at 248.064,91.699 h1.1
  text "YES" at 254.064,91.699 h1.1
  text "NO" at 258.564,91.699 h1.1
  text "L2_Bot" at 124.609,90.162 h1
  text "(.GBL)" at 139.287,90.162 h1
  text "0.035mm" at 149.585,90.086 h1
  text "SILK-" at 227.064,89.199 h1.1
  text "WHITE" at 238.564,89.199 h1.1
  text "TOP" at 248.064,89.199 h1.1
  text "YES" at 254.064,89.199 h1.1
  text "NO" at 258.564,89.199 h1.1
  text "SCREEN" at 227.064,87.199 h1.1
  text "WHITE" at 238.564,87.199 h1.1
  text "BOT" at 248.064,87.199 h1.1
  text "YES" at 254.064,87.199 h1.1
  text "NO" at 258.564,87.199 h1.1
  text "Bottom Solder" at 124.609,86.086 h1
  text "(.GBS)" at 139.286,86.086 h1
  text "ELECTRICAL" at 241.064,84.699 h1.1
  text "YES" at 254.064,84.699 h1.1
  text "NO" at 258.564,84.699 h1.1
  text "TEST" at 227.064,83.699 h1.1
  text "AOI" at 244.564,82.699 h1.1
  text "YES" at 254.064,82.699 h1.1
  text "NO" at 258.564,82.699 h1.1
  text "Bottom Overlay" at 124.609,82.086 h1
  text "(.GBO)" at 139.287,82.086 h1

## Dimensions
0,0 to 0,160 on M11 (Dimension_Top)
0,0 to 90,0 on M11 (Dimension_Top)

## Text inside footprints (layer, text, board x,y; h text height)
C210: M13 (CMP_Body_OTL_Top) "-" at 7.645,76.759 h0.6 r90; M13 (CMP_Body_OTL_Top) "+" at 7.671,69.698 h0.6 r90
C211: M13 (CMP_Body_OTL_Top) "-" at 34.131,52.019 h0.6; M13 (CMP_Body_OTL_Top) "+" at 30.372,52.045 h0.6
C702: M13 (CMP_Body_OTL_Top) "-" at 61.595,52.883 h0.6 r180; M13 (CMP_Body_OTL_Top) "+" at 65.354,52.857 h0.6 r180
C710: M13 (CMP_Body_OTL_Top) "+" at 82.829,71.552 h0.6 r90; M13 (CMP_Body_OTL_Top) "-" at 82.855,75.311 h0.6 r90
C711: M13 (CMP_Body_OTL_Top) "+" at 72.949,70.917 h0.6 r90; M13 (CMP_Body_OTL_Top) "-" at 72.949,72.466 h0.6 r90
D320: M13 (CMP_Body_OTL_Top) "K" at 7.163,30.81 h0.6 r90; M13 (CMP_Body_OTL_Top) "A" at 7.137,31.775 h0.6 r90
D330: M13 (CMP_Body_OTL_Top) "K" at 3.759,24.524 h0.6 r270; M13 (CMP_Body_OTL_Top) "A" at 3.785,23.559 h0.6 r270
D340: M13 (CMP_Body_OTL_Top) "K" at 33.223,109.906 h0.6 r270; M13 (CMP_Body_OTL_Top) "A" at 33.249,108.941 h0.6 r270
D550: M13 (CMP_Body_OTL_Top) "K" at 87.935,104.978 h0.6 r90; M13 (CMP_Body_OTL_Top) "A" at 87.909,105.943 h0.6 r90
D551: M13 (CMP_Body_OTL_Top) "A" at 88.163,101.371 h0.6 r90; M13 (CMP_Body_OTL_Top) "K" at 88.189,100.406 h0.6 r90
D552: M13 (CMP_Body_OTL_Top) "K" at 88.189,95.834 h0.6 r90; M13 (CMP_Body_OTL_Top) "A" at 88.163,96.799 h0.6 r90
D553: M13 (CMP_Body_OTL_Top) "K" at 88.189,91.262 h0.6 r90; M13 (CMP_Body_OTL_Top) "A" at 88.163,92.227 h0.6 r90
D741: M13 (CMP_Body_OTL_Top) "K" at 16.713,14.91 h0.6 r270; M13 (CMP_Body_OTL_Top) "A" at 16.739,13.945 h0.6 r270
D743: M13 (CMP_Body_OTL_Top) "K" at 30.175,14.91 h0.6 r270; M13 (CMP_Body_OTL_Top) "A" at 30.201,13.945 h0.6 r270
D745: M13 (CMP_Body_OTL_Top) "K" at 43.383,15.164 h0.6 r270; M13 (CMP_Body_OTL_Top) "A" at 43.409,14.199 h0.6 r270
D801: M13 (CMP_Body_OTL_Top) "K" at 53.137,123.774 h0.6 r90; M13 (CMP_Body_OTL_Top) "A" at 53.111,124.739 h0.6 r90
D803: M13 (CMP_Body_OTL_Top) "K" at 53.137,127.584 h0.6 r90; M13 (CMP_Body_OTL_Top) "A" at 53.111,128.549 h0.6 r90
D805: M13 (CMP_Body_OTL_Top) "K" at 53.137,138.76 h0.6 r90; M13 (CMP_Body_OTL_Top) "A" at 53.111,139.725 h0.6 r90
D807: M13 (CMP_Body_OTL_Top) "K" at 53.137,142.316 h0.6 r90; M13 (CMP_Body_OTL_Top) "A" at 53.111,143.281 h0.6 r90; M3 (ASY_Text_Top) "A" at 53.061,144.602 h0.5 r90; M3 (ASY_Text_Top) "K" at 53.086,141.069 h0.5 r90
R103: M13 (CMP_Body_OTL_Top) "V" at 61.392,20.599 h0.4 r270; M13 (CMP_Body_OTL_Top) "I" at 60.554,20.549 h0.4 r270; M13 (CMP_Body_OTL_Top) "I" at 60.579,18.11 h0.4 r270; M13 (CMP_Body_OTL_Top) "V" at 61.443,18.186 h0.4 r270
R211: M13 (CMP_Body_OTL_Top) "V" at 27.33,67.081 h0.4 r180; M13 (CMP_Body_OTL_Top) "I" at 27.254,67.945 h0.4 r180; M13 (CMP_Body_OTL_Top) "I" at 29.693,67.97 h0.4 r180; M13 (CMP_Body_OTL_Top) "V" at 29.743,67.132 h0.4 r180
R420: M13 (CMP_Body_OTL_Top) "V" at 35.916,37.821 h0.4; M13 (CMP_Body_OTL_Top) "I" at 35.992,36.957 h0.4; M13 (CMP_Body_OTL_Top) "I" at 33.553,36.932 h0.4; M13 (CMP_Body_OTL_Top) "V" at 33.503,37.77 h0.4
R421: M13 (CMP_Body_OTL_Top) "V" at 41.935,50.14 h0.4 r90; M13 (CMP_Body_OTL_Top) "I" at 42.799,50.216 h0.4 r90; M13 (CMP_Body_OTL_Top) "I" at 42.824,47.777 h0.4 r90; M13 (CMP_Body_OTL_Top) "V" at 41.986,47.727 h0.4 r90